# KiCad board panel-74pad-70pin-mezzanine.kicad_pcb (continued)
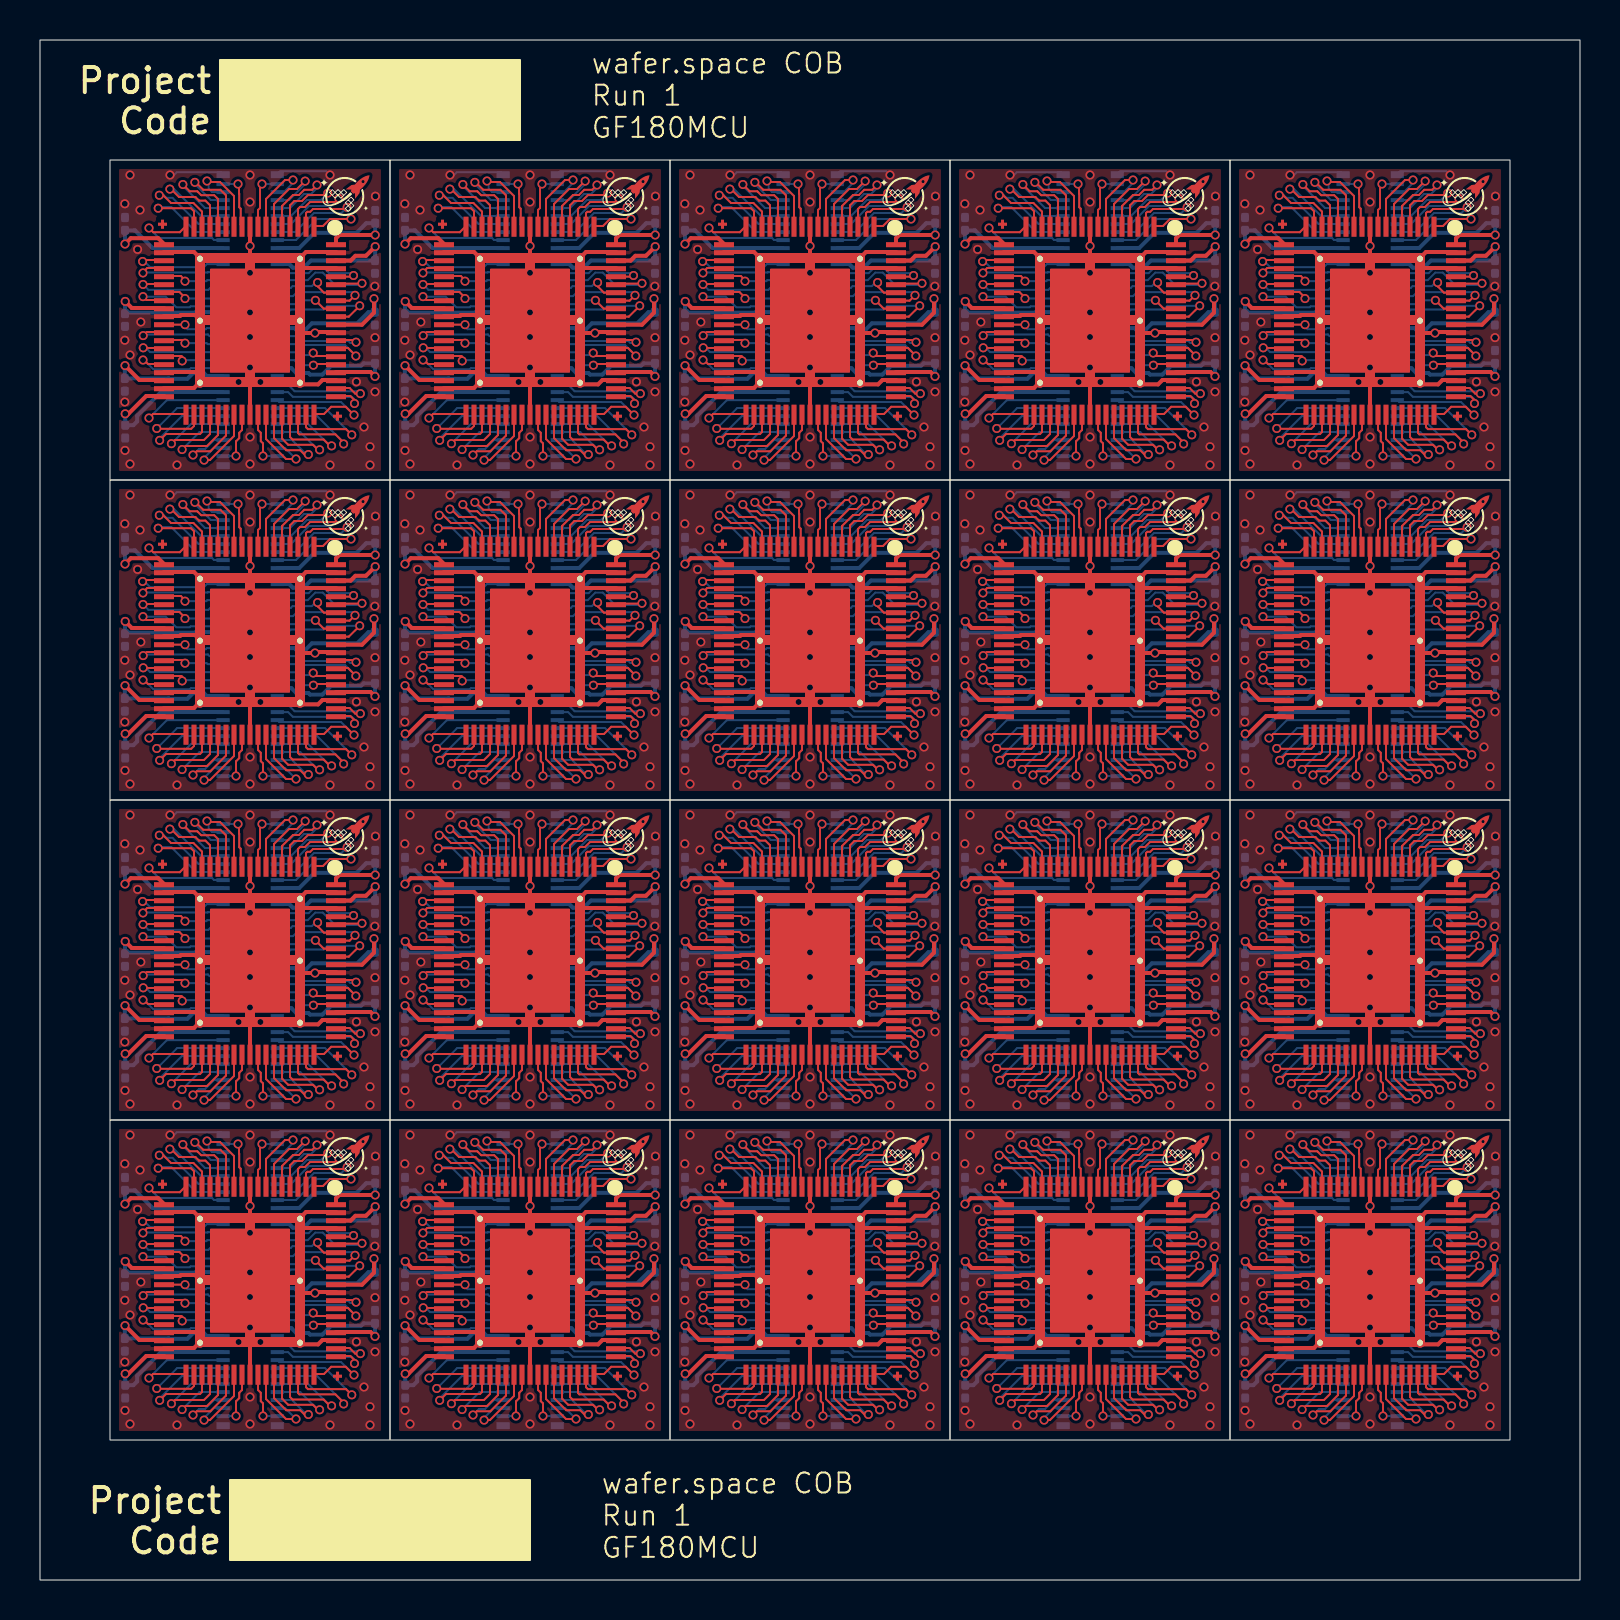
[diagram p0: board, top side]
## Footprints (pads in the part's own frame, mm; a bottom-side part is the same pattern mirrored in y, then rotated)
C_0201_0603Metric
  rrect 0.318x0.36 smd: (-0.345,0) (0.345,0)
  rrect 0.46x0.4 smd: 1(-0.32,0) 2(0.32,0)
CONN-SMD_70P-P0.40_HCTL_HC-PBB40C-70DP-0.4V-02
  rect 0.2x0.66 smd: 1(-6.8,-1.355) 2(-6.4,-1.355) 3(-6,-1.355) 4(-5.6,-1.355) 5(-5.2,-1.355) 6(-4.8,-1.355) 7(-4.4,-1.355) 8(-4,-1.355) 9(-3.6,-1.355) 10(-3.2,-1.355) 11(-2.8,-1.355) 12(-2.4,-1.355) 13(-2,-1.355) 14(-1.6,-1.355) 15(-1.2,-1.355) 16(-0.8,-1.355) 17(-0.4,-1.355) 18(0,-1.355) 19(0.4,-1.355) 20(0.8,-1.355) 21(1.2,-1.355) 22(1.6,-1.355) 23(2,-1.355) 24(2.4,-1.355) 25(2.8,-1.355) 26(3.2,-1.355) 27(3.6,-1.355) 28(4,-1.355) 29(4.4,-1.355) 30(4.8,-1.355) 31(5.2,-1.355) 32(5.6,-1.355) 33(6,-1.355) 34(6.4,-1.355) 35(6.8,-1.355) 36(6.8,1.355) 37(6.4,1.355) 38(6,1.355) 39(5.6,1.355) 40(5.2,1.355) 41(4.8,1.355) 42(4.4,1.355) 43(4,1.355) 44(3.6,1.355) 45(3.2,1.355) 46(2.8,1.355) 47(2.4,1.355) 48(2,1.355) 49(1.6,1.355) 50(1.2,1.355) 51(0.8,1.355) 52(0.4,1.355) 53(0,1.355) 54(-0.4,1.355) 55(-0.8,1.355) 56(-1.2,1.355) 57(-1.6,1.355) 58(-2,1.355) 59(-2.4,1.355) 60(-2.8,1.355) 61(-3.2,1.355) 62(-3.6,1.355) 63(-4,1.355) 64(-4.4,1.355) 65(-4.8,1.355) 66(-5.2,1.355) 67(-5.6,1.355) 68(-6,1.355) 69(-6.4,1.355) 70(-6.8,1.355)
  rect 0.35x0.66 smd: MP(-7.275,-1.355) MP(-7.275,1.355) MP(7.275,-1.355) MP(7.275,1.355)
waferspace_default_padring_v0.2
  rect 0.25x1 smd: 1(3.2,4.7) 2(2.8,4.7) 3(2.4,4.7) 4(2,4.7) 5(1.6,4.7) 6(1.2,4.7) 7(0.8,4.7) 8(0.4,4.7) 9(0,4.7) 10(-0.4,4.7) 11(-0.8,4.7) 12(-1.2,4.7) 13(-1.6,4.7) 14(-2,4.7) 15(-2.4,4.7) 16(-2.8,4.7) 17(-3.2,4.7) 38(-3.2,-4.7) 39(-2.8,-4.7) 40(-2.4,-4.7) 41(-2,-4.7) 42(-1.6,-4.7) 43(-1.2,-4.7) 44(-0.8,-4.7) 45(-0.4,-4.7) 46(0,-4.7) 47(0.4,-4.7) 48(0.8,-4.7) 49(1.2,-4.7) 50(1.6,-4.7) 51(2,-4.7) 52(2.4,-4.7) 53(2.8,-4.7) 54(3.2,-4.7)
  rect 1x0.25 smd: 18(-4.3,3.8) 19(-4.3,3.4) 20(-4.3,3) 21(-4.3,2.6) 22(-4.3,2.2) 23(-4.3,1.8) 24(-4.3,1.4) 25(-4.3,1) 26(-4.3,0.6) 27(-4.3,0.2) 28(-4.3,-0.2) 29(-4.3,-0.6) 30(-4.3,-1) 31(-4.3,-1.4) 32(-4.3,-1.8) 33(-4.3,-2.2) 34(-4.3,-2.6) 35(-4.3,-3) 36(-4.3,-3.4) 37(-4.3,-3.8) 55(4.3,-3.8) 56(4.3,-3.4) 57(4.3,-3) 58(4.3,-2.6) 59(4.3,-2.2) 60(4.3,-1.8) 61(4.3,-1.4) 62(4.3,-1) 63(4.3,-0.6) 64(4.3,-0.2) 65(4.3,0.2) 66(4.3,0.6) 67(4.3,1) 68(4.3,1.4) 69(4.3,1.8) 70(4.3,2.2) 71(4.3,2.6) 72(4.3,3) 73(4.3,3.4) 74(4.3,3.8)
  rrect 4x5.2 smd: 75(0,0)
  round 0.5 hole 0.3: 76(2.5,-3.1) 77(2.5,0) 78(2.5,3.1) 79(-2.5,3.1) 80(-2.5,0) 81(-2.5,-3.1)

## Nets
GND: C101.2 C102.2 C103.2 C104.2 C105.2 C106.2 C107.2 C108.2 C109.2 C110.2 C111.2 C112.2 C113.2 C114.2 C115.2 C116.2 C117.2 C118.2 C119.2 C120.2 C121.2 C122.2 C123.2 C124.2 C125.2 C126.2 C127.2 C128.2 C129.2 C130.2 C131.2 C132.2 C133.2 C134.2 C135.2 C136.2 C137.2 C138.2 C139.2 C140.2 C141.2 C142.2 C143.2 C144.2 C145.2 C146.2 C147.2 C148.2 C149.2 C150.2 C151.2 C152.2 C153.2 C154.2 C155.2 C156.2 C157.2 C158.2 C159.2 C160.2 C161.2 C162.2 C163.2 C164.2 C165.2 C166.2 C167.2 C168.2 C169.2 C170.2 C171.2 C172.2 C173.2 C174.2 C175.2 C176.2 C177.2 C178.2 C179.2 C180.2 C181.2 C182.2 C183.2 C184.2 C185.2 C186.2 C187.2 C188.2 C189.2 C190.2 C191.2 C192.2 C193.2 C194.2 C195.2 C196.2 C197.2 C198.2 C199.2 C200.2 C201.2 C202.2 C203.2 C204.2 C205.2 C206.2 C207.2 C208.2 C209.2 C210.2 C211.2 C212.2 C213.2 C214.2 C215.2 C216.2 C217.2 C218.2 C219.2 C220.2 C221.2 C222.2 C223.2 C224.2 C225.2 C226.2 C227.2 C228.2 C229.2 C230.2 C231.2 C232.2 C233.2 C234.2 C235.2 C236.2 C237.2 C238.2 C239.2 C240.2 C241.2 C242.2 C243.2 C244.2 C245.2 C246.2 C247.2 C248.2 C249.2 C250.2 C251.2 C252.2 C253.2 C254.2 C255.2 C256.2 C257.2 C258.2 C259.2 C260.2 U101.10 U101.18 U101.25 U101.45 U101.53 U101.61 U101.MP U102.9 U102.19 U102.27 U102.34 U102.36 U102.46 U102.57 U102.63 U102.71 U102.73 U102.75 U102.76 U102.77 U102.78 U102.79 U102.80 U102.81 U103.10 U103.18 U103.25 U103.45 U103.53 U103.61 U103.MP U104.9 U104.19 U104.27 U104.34 U104.36 U104.46 U104.57 U104.63 U104.71 U104.73 U104.75 U104.76 U104.77 U104.78 U104.79 U104.80 U104.81 U105.10 U105.18 U105.25 U105.45 U105.53 U105.61 U105.MP U106.9 U106.19 U106.27 U106.34 U106.36 U106.46 U106.57 U106.63 U106.71 U106.73 U106.75 U106.76 U106.77 U106.78 U106.79 U106.80 U106.81 U107.10 U107.18 U107.25 U107.45 U107.53 U107.61 U107.MP U108.9 U108.19 U108.27 U108.34 U108.36 U108.46 U108.57 U108.63 U108.71 U108.73 U108.75 U108.76 U108.77 U108.78 U108.79 U108.80 U108.81 U109.10 U109.18 U109.25 U109.45 U109.53 U109.61 U109.MP U110.9 U110.19 U110.27 U110.34 U110.36 U110.46 U110.57 U110.63 U110.71 U110.73 U110.75 U110.76 U110.77 U110.78 U110.79 U110.80 U110.81 U111.10 U111.18 U111.25 U111.45 U111.53 U111.61 U111.MP U112.9 U112.19 U112.27 U112.34 U112.36 U112.46 U112.57 U112.63 U112.71 U112.73 U112.75 U112.76 U112.77 U112.78 U112.79 U112.80 U112.81 U113.10 U113.18 U113.25 U113.45 U113.53 U113.61 U113.MP U114.9 U114.19 U114.27 U114.34 U114.36 U114.46 U114.57 U114.63 U114.71 U114.73 U114.75 U114.76 U114.77 U114.78 U114.79 U114.80 U114.81 U115.10 U115.18 U115.25 U115.45 U115.53 U115.61 U115.MP U116.9 U116.19 U116.27 U116.34 U116.36 U116.46 U116.57 U116.63 U116.71 U116.73 U116.75 U116.76 U116.77 U116.78 U116.79 U116.80 U116.81 U117.10 U117.18 U117.25 U117.45 U117.53 U117.61 U117.MP U118.9 U118.19 U118.27 U118.34 U118.36 U118.46 U118.57 U118.63 U118.71 U118.73 U118.75 U118.76 U118.77 U118.78 U118.79 U118.80 U118.81 U119.10 U119.18 U119.25 U119.45 U119.53 U119.61 U119.MP U120.9 U120.19 U120.27 U120.34 U120.36 U120.46 U120.57 U120.63 U120.71 U120.73 U120.75 U120.76 U120.77 U120.78 U120.79 U120.80 U120.81 U121.10 U121.18 U121.25 U121.45 U121.53 U121.61 U121.MP U122.9 U122.19 U122.27 U122.34 U122.36 U122.46 U122.57 U122.63 U122.71 U122.73 U122.75 U122.76 U122.77 U122.78 U122.79 U122.80 U122.81 U123.10 U123.18 U123.25 U123.45 U123.53 U123.61 U123.MP U124.9 U124.19 U124.27 U124.34 U124.36 U124.46 U124.57 U124.63 U124.71 U124.73 U124.75 U124.76 U124.77 U124.78 U124.79 U124.80 U124.81 U125.10 U125.18 U125.25 U125.45 U125.53 U125.61 U125.MP U126.9 U126.19 U126.27 U126.34 U126.36 U126.46 U126.57 U126.63 U126.71 U126.73 U126.75 U126.76 U126.77 U126.78 U126.79 U126.80 U126.81 U127.10 U127.18 U127.25 U127.45 U127.53 U127.61 U127.MP U128.9 U128.19 U128.27 U128.34 U128.36 U128.46 U128.57 U128.63 U128.71 U128.73 U128.75 U128.76 U128.77 U128.78 U128.79 U128.80 U128.81 U129.10 U129.18 U129.25 U129.45 U129.53 U129.61 U129.MP U130.9 U130.19 U130.27 U130.34 U130.36 U130.46 U130.57 U130.63 U130.71 U130.73 U130.75 U130.76 U130.77 U130.78 U130.79 U130.80 U130.81 U131.10 U131.18 U131.25 U131.45 U131.53 U131.61 U131.MP U132.9 U132.19 U132.27 U132.34 U132.36 U132.46 U132.57 U132.63 U132.71 U132.73 U132.75 U132.76 U132.77 U132.78 U132.79 U132.80 U132.81 U133.10 U133.18 U133.25 U133.45 U133.53 U133.61 U133.MP U134.9 U134.19 U134.27 U134.34 U134.36 U134.46 U134.57 U134.63 U134.71 U134.73 U134.75 U134.76 U134.77 U134.78 U134.79 U134.80 U134.81 U135.10 U135.18 U135.25 U135.45 U135.53 U135.61 U135.MP U136.9 U136.19 U136.27 U136.34 U136.36 U136.46 U136.57 U136.63 U136.71 U136.73 U136.75 U136.76 U136.77 U136.78 U136.79 U136.80 U136.81 U137.10 U137.18 U137.25 U137.45 U137.53 U137.61 U137.MP U138.9 U138.19 U138.27 U138.34 U138.36 U138.46 U138.57 U138.63 U138.71 U138.73 U138.75 U138.76 U138.77 U138.78 U138.79 U138.80 U138.81 U139.10 U139.18 U139.25 U139.45 U139.53 U139.61 U139.MP U140.9 U140.19 U140.27 U140.34 U140.36 U140.46 U140.57 U140.63 U140.71 U140.73 U140.75 U140.76 U140.77 U140.78 U140.79 U140.80 U140.81
VDD_CORE_0: C103.1 C111.1 C119.1 C127.1 C135.1 C143.1 C151.1 C159.1 C167.1 C175.1 C183.1 C191.1 C199.1 C207.1 C215.1 C223.1 C231.1 C239.1 C247.1 C255.1 U101.46 U102.35 U103.46 U104.35 U105.46 U106.35 U107.46 U108.35 U109.46 U110.35 U111.46 U112.35 U113.46 U114.35 U115.46 U116.35 U117.46 U118.35 U119.46 U120.35 U121.46 U122.35 U123.46 U124.35 U125.46 U126.35 U127.46 U128.35 U129.46 U130.35 U131.46 U132.35 U133.46 U134.35 U135.46 U136.35 U137.46 U138.35 U139.46 U140.35
VDD_CORE_1: C104.1 C112.1 C120.1 C128.1 C136.1 C144.1 C152.1 C160.1 C168.1 C176.1 C184.1 C192.1 C200.1 C208.1 C216.1 C224.1 C232.1 C240.1 C248.1 C256.1 U101.11 U102.72 U103.11 U104.72 U105.11 U106.72 U107.11 U108.72 U109.11 U110.72 U111.11 U112.72 U113.11 U114.72 U115.11 U116.72 U117.11 U118.72 U119.11 U120.72 U121.11 U122.72 U123.11 U124.72 U125.11 U126.72 U127.11 U128.72 U129.11 U130.72 U131.11 U132.72 U133.11 U134.72 U135.11 U136.72 U137.11 U138.72 U139.11 U140.72
VDD_IO_0: C107.1 C115.1 C123.1 C131.1 C139.1 C147.1 C155.1 C163.1 C171.1 C179.1 C187.1 C195.1 C203.1 C211.1 C219.1 C227.1 C235.1 C243.1 C251.1 C259.1 U101.62 U102.18 U103.62 U104.18 U105.62 U106.18 U107.62 U108.18 U109.62 U110.18 U111.62 U112.18 U113.62 U114.18 U115.62 U116.18 U117.62 U118.18 U119.62 U120.18 U121.62 U122.18 U123.62 U124.18 U125.62 U126.18 U127.62 U128.18 U129.62 U130.18 U131.62 U132.18 U133.62 U134.18 U135.62 U136.18 U137.62 U138.18 U139.62 U140.18
VDD_IO_1: C101.1 C109.1 C117.1 C125.1 C133.1 C141.1 C149.1 C157.1 C165.1 C173.1 C181.1 C189.1 C197.1 C205.1 C213.1 C221.1 C229.1 C237.1 C245.1 C253.1 U101.44 U102.37 U103.44 U104.37 U105.44 U106.37 U107.44 U108.37 U109.44 U110.37 U111.44 U112.37 U113.44 U114.37 U115.44 U116.37 U117.44 U118.37 U119.44 U120.37 U121.44 U122.37 U123.44 U124.37 U125.44 U126.37 U127.44 U128.37 U129.44 U130.37 U131.44 U132.37 U133.44 U134.37 U135.44 U136.37 U137.44 U138.37 U139.44 U140.37
VDD_IO_2: C108.1 C116.1 C124.1 C132.1 C140.1 C148.1 C156.1 C164.1 C172.1 C180.1 C188.1 C196.1 C204.1 C212.1 C220.1 C228.1 C236.1 C244.1 C252.1 C260.1 U101.24 U102.58 U103.24 U104.58 U105.24 U106.58 U107.24 U108.58 U109.24 U110.58 U111.24 U112.58 U113.24 U114.58 U115.24 U116.58 U117.24 U118.58 U119.24 U120.58 U121.24 U122.58 U123.24 U124.58 U125.24 U126.58 U127.24 U128.58 U129.24 U130.58 U131.24 U132.58 U133.24 U134.58 U135.24 U136.58 U137.24 U138.58 U139.24 U140.58
VDD_IO_3: C102.1 C110.1 C118.1 C126.1 C134.1 C142.1 C150.1 C158.1 C166.1 C174.1 C182.1 C190.1 C198.1 C206.1 C214.1 C222.1 C230.1 C238.1 C246.1 C254.1 U101.9 U102.74 U103.9 U104.74 U105.9 U106.74 U107.9 U108.74 U109.9 U110.74 U111.9 U112.74 U113.9 U114.74 U115.9 U116.74 U117.9 U118.74 U119.9 U120.74 U121.9 U122.74 U123.9 U124.74 U125.9 U126.74 U127.9 U128.74 U129.9 U130.74 U131.9 U132.74 U133.9 U134.74 U135.9 U136.74 U137.9 U138.74 U139.9 U140.74
/pad_0: U101.8 U102.1 U103.8 U104.1 U105.8 U106.1 U107.8 U108.1 U109.8 U110.1 U111.8 U112.1 U113.8 U114.1 U115.8 U116.1 U117.8 U118.1 U119.8 U120.1 U121.8 U122.1 U123.8 U124.1 U125.8 U126.1 U127.8 U128.1 U129.8 U130.1 U131.8 U132.1 U133.8 U134.1 U135.8 U136.1 U137.8 U138.1 U139.8 U140.1
/pad_1: U101.7 U102.2 U103.7 U104.2 U105.7 U106.2 U107.7 U108.2 U109.7 U110.2 U111.7 U112.2 U113.7 U114.2 U115.7 U116.2 U117.7 U118.2 U119.7 U120.2 U121.7 U122.2 U123.7 U124.2 U125.7 U126.2 U127.7 U128.2 U129.7 U130.2 U131.7 U132.2 U133.7 U134.2 U135.7 U136.2 U137.7 U138.2 U139.7 U140.2
/pad_2: U101.6 U102.3 U103.6 U104.3 U105.6 U106.3 U107.6 U108.3 U109.6 U110.3 U111.6 U112.3 U113.6 U114.3 U115.6 U116.3 U117.6 U118.3 U119.6 U120.3 U121.6 U122.3 U123.6 U124.3 U125.6 U126.3 U127.6 U128.3 U129.6 U130.3 U131.6 U132.3 U133.6 U134.3 U135.6 U136.3 U137.6 U138.3 U139.6 U140.3
/pad_3: U101.5 U102.4 U103.5 U104.4 U105.5 U106.4 U107.5 U108.4 U109.5 U110.4 U111.5 U112.4 U113.5 U114.4 U115.5 U116.4 U117.5 U118.4 U119.5 U120.4 U121.5 U122.4 U123.5 U124.4 U125.5 U126.4 U127.5 U128.4 U129.5 U130.4 U131.5 U132.4 U133.5 U134.4 U135.5 U136.4 U137.5 U138.4 U139.5 U140.4
/pad_4: U101.4 U102.5 U103.4 U104.5 U105.4 U106.5 U107.4 U108.5 U109.4 U110.5 U111.4 U112.5 U113.4 U114.5 U115.4 U116.5 U117.4 U118.5 U119.4 U120.5 U121.4 U122.5 U123.4 U124.5 U125.4 U126.5 U127.4 U128.5 U129.4 U130.5 U131.4 U132.5 U133.4 U134.5 U135.4 U136.5 U137.4 U138.5 U139.4 U140.5
/pad_5: U101.3 U102.6 U103.3 U104.6 U105.3 U106.6 U107.3 U108.6 U109.3 U110.6 U111.3 U112.6 U113.3 U114.6 U115.3 U116.6 U117.3 U118.6 U119.3 U120.6 U121.3 U122.6 U123.3 U124.6 U125.3 U126.6 U127.3 U128.6 U129.3 U130.6 U131.3 U132.6 U133.3 U134.6 U135.3 U136.6 U137.3 U138.6 U139.3 U140.6
/pad_6: U101.2 U102.7 U103.2 U104.7 U105.2 U106.7 U107.2 U108.7 U109.2 U110.7 U111.2 U112.7 U113.2 U114.7 U115.2 U116.7 U117.2 U118.7 U119.2 U120.7 U121.2 U122.7 U123.2 U124.7 U125.2 U126.7 U127.2 U128.7 U129.2 U130.7 U131.2 U132.7 U133.2 U134.7 U135.2 U136.7 U137.2 U138.7 U139.2 U140.7
/pad_7: U101.1 U102.8 U103.1 U104.8 U105.1 U106.8 U107.1 U108.8 U109.1 U110.8 U111.1 U112.8 U113.1 U114.8 U115.1 U116.8 U117.1 U118.8 U119.1 U120.8 U121.1 U122.8 U123.1 U124.8 U125.1 U126.8 U127.1 U128.8 U129.1 U130.8 U131.1 U132.8 U133.1 U134.8 U135.1 U136.8 U137.1 U138.8 U139.1 U140.8
/pad_9: U101.70 U102.10 U103.70 U104.10 U105.70 U106.10 U107.70 U108.10 U109.70 U110.10 U111.70 U112.10 U113.70 U114.10 U115.70 U116.10 U117.70 U118.10 U119.70 U120.10 U121.70 U122.10 U123.70 U124.10 U125.70 U126.10 U127.70 U128.10 U129.70 U130.10 U131.70 U132.10 U133.70 U134.10 U135.70 U136.10 U137.70 U138.10 U139.70 U140.10
/pad_10: U101.69 U102.11 U103.69 U104.11 U105.69 U106.11 U107.69 U108.11 U109.69 U110.11 U111.69 U112.11 U113.69 U114.11 U115.69 U116.11 U117.69 U118.11 U119.69 U120.11 U121.69 U122.11 U123.69 U124.11 U125.69 U126.11 U127.69 U128.11 U129.69 U130.11 U131.69 U132.11 U133.69 U134.11 U135.69 U136.11 U137.69 U138.11 U139.69 U140.11
/pad_11: U101.68 U102.12 U103.68 U104.12 U105.68 U106.12 U107.68 U108.12 U109.68 U110.12 U111.68 U112.12 U113.68 U114.12 U115.68 U116.12 U117.68 U118.12 U119.68 U120.12 U121.68 U122.12 U123.68 U124.12 U125.68 U126.12 U127.68 U128.12 U129.68 U130.12 U131.68 U132.12 U133.68 U134.12 U135.68 U136.12 U137.68 U138.12 U139.68 U140.12
/pad_12: U101.67 U102.13 U103.67 U104.13 U105.67 U106.13 U107.67 U108.13 U109.67 U110.13 U111.67 U112.13 U113.67 U114.13 U115.67 U116.13 U117.67 U118.13 U119.67 U120.13 U121.67 U122.13 U123.67 U124.13 U125.67 U126.13 U127.67 U128.13 U129.67 U130.13 U131.67 U132.13 U133.67 U134.13 U135.67 U136.13 U137.67 U138.13 U139.67 U140.13
/pad_13: U101.66 U102.14 U103.66 U104.14 U105.66 U106.14 U107.66 U108.14 U109.66 U110.14 U111.66 U112.14 U113.66 U114.14 U115.66 U116.14 U117.66 U118.14 U119.66 U120.14 U121.66 U122.14 U123.66 U124.14 U125.66 U126.14 U127.66 U128.14 U129.66 U130.14 U131.66 U132.14 U133.66 U134.14 U135.66 U136.14 U137.66 U138.14 U139.66 U140.14
/pad_14: U101.65 U102.15 U103.65 U104.15 U105.65 U106.15 U107.65 U108.15 U109.65 U110.15 U111.65 U112.15 U113.65 U114.15 U115.65 U116.15 U117.65 U118.15 U119.65 U120.15 U121.65 U122.15 U123.65 U124.15 U125.65 U126.15 U127.65 U128.15 U129.65 U130.15 U131.65 U132.15 U133.65 U134.15 U135.65 U136.15 U137.65 U138.15 U139.65 U140.15
/pad_15: U101.64 U102.16 U103.64 U104.16 U105.64 U106.16 U107.64 U108.16 U109.64 U110.16 U111.64 U112.16 U113.64 U114.16 U115.64 U116.16 U117.64 U118.16 U119.64 U120.16 U121.64 U122.16 U123.64 U124.16 U125.64 U126.16 U127.64 U128.16 U129.64 U130.16 U131.64 U132.16 U133.64 U134.16 U135.64 U136.16 U137.64 U138.16 U139.64 U140.16
/pad_16: U101.63 U102.17 U103.63 U104.17 U105.63 U106.17 U107.63 U108.17 U109.63 U110.17 U111.63 U112.17 U113.63 U114.17 U115.63 U116.17 U117.63 U118.17 U119.63 U120.17 U121.63 U122.17 U123.63 U124.17 U125.63 U126.17 U127.63 U128.17 U129.63 U130.17 U131.63 U132.17 U133.63 U134.17 U135.63 U136.17 U137.63 U138.17 U139.63 U140.17
/pad_19: U101.60 U102.20 U103.60 U104.20 U105.60 U106.20 U107.60 U108.20 U109.60 U110.20 U111.60 U112.20 U113.60 U114.20 U115.60 U116.20 U117.60 U118.20 U119.60 U120.20 U121.60 U122.20 U123.60 U124.20 U125.60 U126.20 U127.60 U128.20 U129.60 U130.20 U131.60 U132.20 U133.60 U134.20 U135.60 U136.20 U137.60 U138.20 U139.60 U140.20
/pad_20: U101.59 U102.21 U103.59 U104.21 U105.59 U106.21 U107.59 U108.21 U109.59 U110.21 U111.59 U112.21 U113.59 U114.21 U115.59 U116.21 U117.59 U118.21 U119.59 U120.21 U121.59 U122.21 U123.59 U124.21 U125.59 U126.21 U127.59 U128.21 U129.59 U130.21 U131.59 U132.21 U133.59 U134.21 U135.59 U136.21 U137.59 U138.21 U139.59 U140.21
/pad_21: U101.58 U102.22 U103.58 U104.22 U105.58 U106.22 U107.58 U108.22 U109.58 U110.22 U111.58 U112.22 U113.58 U114.22 U115.58 U116.22 U117.58 U118.22 U119.58 U120.22 U121.58 U122.22 U123.58 U124.22 U125.58 U126.22 U127.58 U128.22 U129.58 U130.22 U131.58 U132.22 U133.58 U134.22 U135.58 U136.22 U137.58 U138.22 U139.58 U140.22
/pad_22: U101.57 U102.23 U103.57 U104.23 U105.57 U106.23 U107.57 U108.23 U109.57 U110.23 U111.57 U112.23 U113.57 U114.23 U115.57 U116.23 U117.57 U118.23 U119.57 U120.23 U121.57 U122.23 U123.57 U124.23 U125.57 U126.23 U127.57 U128.23 U129.57 U130.23 U131.57 U132.23 U133.57 U134.23 U135.57 U136.23 U137.57 U138.23 U139.57 U140.23
/pad_23: U101.56 U102.24 U103.56 U104.24 U105.56 U106.24 U107.56 U108.24 U109.56 U110.24 U111.56 U112.24 U113.56 U114.24 U115.56 U116.24 U117.56 U118.24 U119.56 U120.24 U121.56 U122.24 U123.56 U124.24 U125.56 U126.24 U127.56 U128.24 U129.56 U130.24 U131.56 U132.24 U133.56 U134.24 U135.56 U136.24 U137.56 U138.24 U139.56 U140.24
/pad_24: U101.55 U102.25 U103.55 U104.25 U105.55 U106.25 U107.55 U108.25 U109.55 U110.25 U111.55 U112.25 U113.55 U114.25 U115.55 U116.25 U117.55 U118.25 U119.55 U120.25 U121.55 U122.25 U123.55 U124.25 U125.55 U126.25 U127.55 U128.25 U129.55 U130.25 U131.55 U132.25 U133.55 U134.25 U135.55 U136.25 U137.55 U138.25 U139.55 U140.25
/pad_27: U101.52 U102.28 U103.52 U104.28 U105.52 U106.28 U107.52 U108.28 U109.52 U110.28 U111.52 U112.28 U113.52 U114.28 U115.52 U116.28 U117.52 U118.28 U119.52 U120.28 U121.52 U122.28 U123.52 U124.28 U125.52 U126.28 U127.52 U128.28 U129.52 U130.28 U131.52 U132.28 U133.52 U134.28 U135.52 U136.28 U137.52 U138.28 U139.52 U140.28
/pad_28: U101.51 U102.29 U103.51 U104.29 U105.51 U106.29 U107.51 U108.29 U109.51 U110.29 U111.51 U112.29 U113.51 U114.29 U115.51 U116.29 U117.51 U118.29 U119.51 U120.29 U121.51 U122.29 U123.51 U124.29 U125.51 U126.29 U127.51 U128.29 U129.51 U130.29 U131.51 U132.29 U133.51 U134.29 U135.51 U136.29 U137.51 U138.29 U139.51 U140.29
/pad_29: U101.50 U102.30 U103.50 U104.30 U105.50 U106.30 U107.50 U108.30 U109.50 U110.30 U111.50 U112.30 U113.50 U114.30 U115.50 U116.30 U117.50 U118.30 U119.50 U120.30 U121.50 U122.30 U123.50 U124.30 U125.50 U126.30 U127.50 U128.30 U129.50 U130.30 U131.50 U132.30 U133.50 U134.30 U135.50 U136.30 U137.50 U138.30 U139.50 U140.30
/pad_30: U101.49 U102.31 U103.49 U104.31 U105.49 U106.31 U107.49 U108.31 U109.49 U110.31 U111.49 U112.31 U113.49 U114.31 U115.49 U116.31 U117.49 U118.31 U119.49 U120.31 U121.49 U122.31 U123.49 U124.31 U125.49 U126.31 U127.49 U128.31 U129.49 U130.31 U131.49 U132.31 U133.49 U134.31 U135.49 U136.31 U137.49 U138.31 U139.49 U140.31
/pad_31: U101.48 U102.32 U103.48 U104.32 U105.48 U106.32 U107.48 U108.32 U109.48 U110.32 U111.48 U112.32 U113.48 U114.32 U115.48 U116.32 U117.48 U118.32 U119.48 U120.32 U121.48 U122.32 U123.48 U124.32 U125.48 U126.32 U127.48 U128.32 U129.48 U130.32 U131.48 U132.32 U133.48 U134.32 U135.48 U136.32 U137.48 U138.32 U139.48 U140.32
/pad_32: U101.47 U102.33 U103.47 U104.33 U105.47 U106.33 U107.47 U108.33 U109.47 U110.33 U111.47 U112.33 U113.47 U114.33 U115.47 U116.33 U117.47 U118.33 U119.47 U120.33 U121.47 U122.33 U123.47 U124.33 U125.47 U126.33 U127.47 U128.33 U129.47 U130.33 U131.47 U132.33 U133.47 U134.33 U135.47 U136.33 U137.47 U138.33 U139.47 U140.33
/pad_37: U101.43 U102.38 U103.43 U104.38 U105.43 U106.38 U107.43 U108.38 U109.43 U110.38 U111.43 U112.38 U113.43 U114.38 U115.43 U116.38 U117.43 U118.38 U119.43 U120.38 U121.43 U122.38 U123.43 U124.38 U125.43 U126.38 U127.43 U128.38 U129.43 U130.38 U131.43 U132.38 U133.43 U134.38 U135.43 U136.38 U137.43 U138.38 U139.43 U140.38
/pad_38: U101.42 U102.39 U103.42 U104.39 U105.42 U106.39 U107.42 U108.39 U109.42 U110.39 U111.42 U112.39 U113.42 U114.39 U115.42 U116.39 U117.42 U118.39 U119.42 U120.39 U121.42 U122.39 U123.42 U124.39 U125.42 U126.39 U127.42 U128.39 U129.42 U130.39 U131.42 U132.39 U133.42 U134.39 U135.42 U136.39 U137.42 U138.39 U139.42 U140.39
/pad_39: U101.41 U102.40 U103.41 U104.40 U105.41 U106.40 U107.41 U108.40 U109.41 U110.40 U111.41 U112.40 U113.41 U114.40 U115.41 U116.40 U117.41 U118.40 U119.41 U120.40 U121.41 U122.40 U123.41 U124.40 U125.41 U126.40 U127.41 U128.40 U129.41 U130.40 U131.41 U132.40 U133.41 U134.40 U135.41 U136.40 U137.41 U138.40 U139.41 U140.40
/pad_40: U101.40 U102.41 U103.40 U104.41 U105.40 U106.41 U107.40 U108.41 U109.40 U110.41 U111.40 U112.41 U113.40 U114.41 U115.40 U116.41 U117.40 U118.41 U119.40 U120.41 U121.40 U122.41 U123.40 U124.41 U125.40 U126.41 U127.40 U128.41 U129.40 U130.41 U131.40 U132.41 U133.40 U134.41 U135.40 U136.41 U137.40 U138.41 U139.40 U140.41
/pad_41: U101.39 U102.42 U103.39 U104.42 U105.39 U106.42 U107.39 U108.42 U109.39 U110.42 U111.39 U112.42 U113.39 U114.42 U115.39 U116.42 U117.39 U118.42 U119.39 U120.42 U121.39 U122.42 U123.39 U124.42 U125.39 U126.42 U127.39 U128.42 U129.39 U130.42 U131.39 U132.42 U133.39 U134.42 U135.39 U136.42 U137.39 U138.42 U139.39 U140.42
/pad_42: U101.38 U102.43 U103.38 U104.43 U105.38 U106.43 U107.38 U108.43 U109.38 U110.43 U111.38 U112.43 U113.38 U114.43 U115.38 U116.43 U117.38 U118.43 U119.38 U120.43 U121.38 U122.43 U123.38 U124.43 U125.38 U126.43 U127.38 U128.43 U129.38 U130.43 U131.38 U132.43 U133.38 U134.43 U135.38 U136.43 U137.38 U138.43 U139.38 U140.43
/pad_43: U101.37 U102.44 U103.37 U104.44 U105.37 U106.44 U107.37 U108.44 U109.37 U110.44 U111.37 U112.44 U113.37 U114.44 U115.37 U116.44 U117.37 U118.44 U119.37 U120.44 U121.37 U122.44 U123.37 U124.44 U125.37 U126.44 U127.37 U128.44 U129.37 U130.44 U131.37 U132.44 U133.37 U134.44 U135.37 U136.44 U137.37 U138.44 U139.37 U140.44
/pad_44: U101.36 U102.45 U103.36 U104.45 U105.36 U106.45 U107.36 U108.45 U109.36 U110.45 U111.36 U112.45 U113.36 U114.45 U115.36 U116.45 U117.36 U118.45 U119.36 U120.45 U121.36 U122.45 U123.36 U124.45 U125.36 U126.45 U127.36 U128.45 U129.36 U130.45 U131.36 U132.45 U133.36 U134.45 U135.36 U136.45 U137.36 U138.45 U139.36 U140.45
/pad_46: U101.35 U102.47 U103.35 U104.47 U105.35 U106.47 U107.35 U108.47 U109.35 U110.47 U111.35 U112.47 U113.35 U114.47 U115.35 U116.47 U117.35 U118.47 U119.35 U120.47 U121.35 U122.47 U123.35 U124.47 U125.35 U126.47 U127.35 U128.47 U129.35 U130.47 U131.35 U132.47 U133.35 U134.47 U135.35 U136.47 U137.35 U138.47 U139.35 U140.47
/pad_47: U101.34 U102.48 U103.34 U104.48 U105.34 U106.48 U107.34 U108.48 U109.34 U110.48 U111.34 U112.48 U113.34 U114.48 U115.34 U116.48 U117.34 U118.48 U119.34 U120.48 U121.34 U122.48 U123.34 U124.48 U125.34 U126.48 U127.34 U128.48 U129.34 U130.48 U131.34 U132.48 U133.34 U134.48 U135.34 U136.48 U137.34 U138.48 U139.34 U140.48
/pad_48: U101.33 U102.49 U103.33 U104.49 U105.33 U106.49 U107.33 U108.49 U109.33 U110.49 U111.33 U112.49 U113.33 U114.49 U115.33 U116.49 U117.33 U118.49 U119.33 U120.49 U121.33 U122.49 U123.33 U124.49 U125.33 U126.49 U127.33 U128.49 U129.33 U130.49 U131.33 U132.49 U133.33 U134.49 U135.33 U136.49 U137.33 U138.49 U139.33 U140.49
/pad_49: U101.32 U102.50 U103.32 U104.50 U105.32 U106.50 U107.32 U108.50 U109.32 U110.50 U111.32 U112.50 U113.32 U114.50 U115.32 U116.50 U117.32 U118.50 U119.32 U120.50 U121.32 U122.50 U123.32 U124.50 U125.32 U126.50 U127.32 U128.50 U129.32 U130.50 U131.32 U132.50 U133.32 U134.50 U135.32 U136.50 U137.32 U138.50 U139.32 U140.50
/pad_50: U101.31 U102.51 U103.31 U104.51 U105.31 U106.51 U107.31 U108.51 U109.31 U110.51 U111.31 U112.51 U113.31 U114.51 U115.31 U116.51 U117.31 U118.51 U119.31 U120.51 U121.31 U122.51 U123.31 U124.51 U125.31 U126.51 U127.31 U128.51 U129.31 U130.51 U131.31 U132.51 U133.31 U134.51 U135.31 U136.51 U137.31 U138.51 U139.31 U140.51
/pad_51: U101.30 U102.52 U103.30 U104.52 U105.30 U106.52 U107.30 U108.52 U109.30 U110.52 U111.30 U112.52 U113.30 U114.52 U115.30 U116.52 U117.30 U118.52 U119.30 U120.52 U121.30 U122.52 U123.30 U124.52 U125.30 U126.52 U127.30 U128.52 U129.30 U130.52 U131.30 U132.52 U133.30 U134.52 U135.30 U136.52 U137.30 U138.52 U139.30 U140.52
/pad_52: U101.29 U102.53 U103.29 U104.53 U105.29 U106.53 U107.29 U108.53 U109.29 U110.53 U111.29 U112.53 U113.29 U114.53 U115.29 U116.53 U117.29 U118.53 U119.29 U120.53 U121.29 U122.53 U123.29 U124.53 U125.29 U126.53 U127.29 U128.53 U129.29 U130.53 U131.29 U132.53 U133.29 U134.53 U135.29 U136.53 U137.29 U138.53 U139.29 U140.53
/pad_53: U101.28 U102.54 U103.28 U104.54 U105.28 U106.54 U107.28 U108.54 U109.28 U110.54 U111.28 U112.54 U113.28 U114.54 U115.28 U116.54 U117.28 U118.54 U119.28 U120.54 U121.28 U122.54 U123.28 U124.54 U125.28 U126.54 U127.28 U128.54 U129.28 U130.54 U131.28 U132.54 U133.28 U134.54 U135.28 U136.54 U137.28 U138.54 U139.28 U140.54
/pad_54: U101.27 U102.55 U103.27 U104.55 U105.27 U106.55 U107.27 U108.55 U109.27 U110.55 U111.27 U112.55 U113.27 U114.55 U115.27 U116.55 U117.27 U118.55 U119.27 U120.55 U121.27 U122.55 U123.27 U124.55 U125.27 U126.55 U127.27 U128.55 U129.27 U130.55 U131.27 U132.55 U133.27 U134.55 U135.27 U136.55 U137.27 U138.55 U139.27 U140.55
/pad_55: U101.26 U102.56 U103.26 U104.56 U105.26 U106.56 U107.26 U108.56 U109.26 U110.56 U111.26 U112.56 U113.26 U114.56 U115.26 U116.56 U117.26 U118.56 U119.26 U120.56 U121.26 U122.56 U123.26 U124.56 U125.26 U126.56 U127.26 U128.56 U129.26 U130.56 U131.26 U132.56 U133.26 U134.56 U135.26 U136.56 U137.26 U138.56 U139.26 U140.56
/pad_58: U101.23 U102.59 U103.23 U104.59 U105.23 U106.59 U107.23 U108.59 U109.23 U110.59 U111.23 U112.59 U113.23 U114.59 U115.23 U116.59 U117.23 U118.59 U119.23 U120.59 U121.23 U122.59 U123.23 U124.59 U125.23 U126.59 U127.23 U128.59 U129.23 U130.59 U131.23 U132.59 U133.23 U134.59 U135.23 U136.59 U137.23 U138.59 U139.23 U140.59
/pad_59: U101.22 U102.60 U103.22 U104.60 U105.22 U106.60 U107.22 U108.60 U109.22 U110.60 U111.22 U112.60 U113.22 U114.60 U115.22 U116.60 U117.22 U118.60 U119.22 U120.60 U121.22 U122.60 U123.22 U124.60 U125.22 U126.60 U127.22 U128.60 U129.22 U130.60 U131.22 U132.60 U133.22 U134.60 U135.22 U136.60 U137.22 U138.60 U139.22 U140.60